# Allegro board reComputer J202_V1.0.brd (continued)
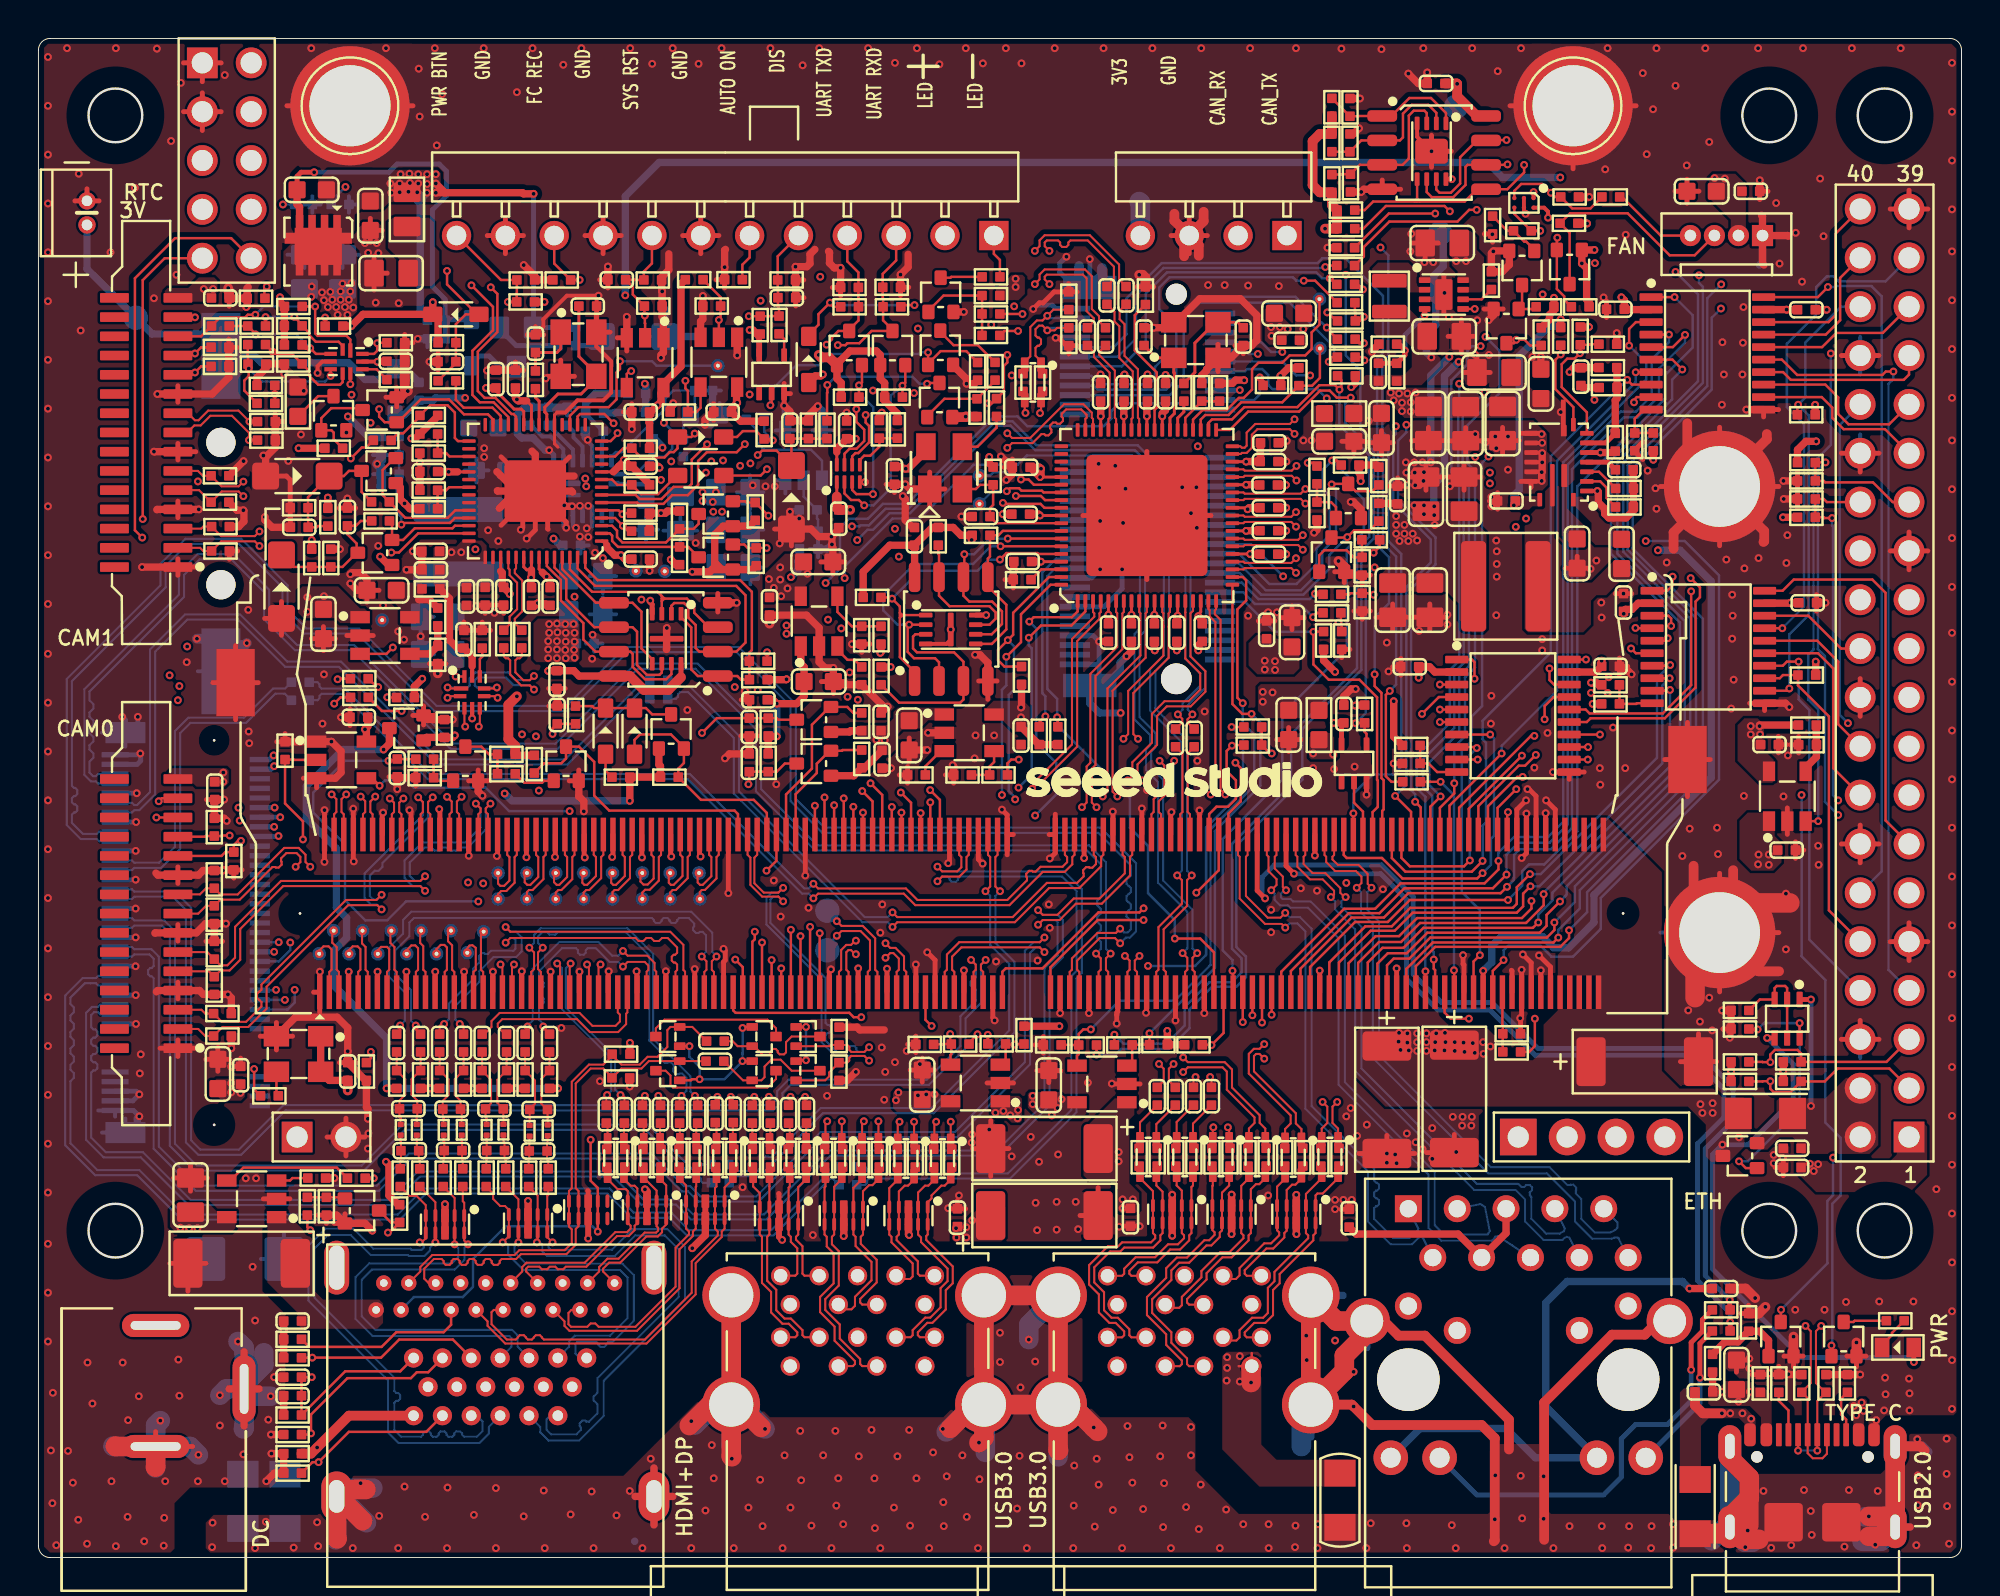
[diagram p0: board, top side]
## Routing (per net, layer and track width the routed paths; a pad name or vN(x,y) marks a point on that pad's centre or on a via; arc(x,y) is an arc through that point) (continued)
HUB_HSD2_P: length 44.5
  TOP w0.107: v1(41.77,22.69) L9.1 41.82,21.66 R39.1 ; U28.18 60.84,49.34 60.9,49.28 60.9,48.95 61.2,48.65 61.2,39.93 v1(60.96,39.68)
  LAY3 w0.084: v1(41.77,22.69) 41.51,22.95 41.51,23.25 41.68,23.42 41.8,23.42 41.85,23.37 41.97,23.37 42.09,23.49 42.09,23.61 42.04,23.65 42.04,23.77 47.74,29.47 47.74,33.66 53.1,39.02 53.1,40.39 53.73,41.03 57.39,41.03 57.92,40.49 59.5,40.49 59.58,40.41 59.58,40.38 59.66,40.29 59.83,40.29 59.92,40.38 59.92,40.41 60,40.49 60.17,40.49 60.25,40.41 60.25,40.38 60.34,40.29 60.5,40.29 60.59,40.38 60.59,40.41 60.67,40.49 61.02,40.49 61.22,40.3 61.22,39.94 v1(60.96,39.68)
HUB_HSD3_N: length 41.1
  TOP w0.107: v1(65.39,51.97) 65.15,51.73 62.73,51.73 62.66,51.79 U28.23 ; R46.1 62.95,21.32 L15.4 62.95,22.31 63.24,22.6 63.24,22.89 61.8,24.33 61.8,25.27 61.57,25.49 59.77,25.49 v1(59.52,25.25)
  LAY3 w0.084: v1(65.39,51.97) 65.66,51.7 65.98,51.7 66.36,51.32 66.36,50.6 65.9,50.14 65.9,40.22 60.92,35.24 60.92,30.74 60.06,29.88 60.06,27.16 60.27,26.95 60.27,25.74 60.04,25.51 59.78,25.51 v1(59.52,25.25)
HUB_HSD3_P: length 41
  TOP w0.107: v1(59.52,26.01) 59.77,25.76 61.68,25.76 62.06,25.38 62.06,24.44 63.5,23 63.5,22.6 63.79,22.31 L15.1 63.79,21.33 R52.1 ; v1(65.39,51.21) 65.15,51.46 62.73,51.46 62.66,51.39 U28.22
  LAY3 w0.084: v1(65.39,51.21) 65.64,51.46 65.88,51.46 66.12,51.22 66.12,50.7 65.66,50.24 65.66,43.56 65.52,43.42 65.52,43.23 65.66,43.08 65.66,42.89 65.52,42.75 65.52,42.56 65.66,42.41 65.66,40.31 60.69,35.34 60.69,30.84 59.82,29.98 59.82,27.06 60.03,26.85 60.03,25.84 59.94,25.75 59.78,25.75 v1(59.52,26.01)
HUB_HSD4_N: length 57.2
  TOP w0.107: U28.38 62.5,57.79 62.57,57.72 62.72,57.72 62.83,57.82 62.83,58.5 63.27,58.95 65.07,58.95 v1(65.32,59.19) ; R45.1 61.07,21.32 L14.4 61.07,22.31 61.09,22.34 v1(61.09,22.37)
  LAY3 w0.084: v1(61.09,22.37) 61.32,22.15 61.32,21.52 62.1,20.74 66.75,20.74 69.11,23.1 69.11,26.51 73.21,30.61 73.21,31.51 72.53,32.19 72.53,53.17 66.76,58.93 65.58,58.93 v1(65.32,59.19)
HUB_HSD4_P: length 57.1
  TOP w0.107: v1(61.85,22.37) 61.92,22.31 L14.1 61.92,21.33 R51.1 ; U28.37 62.52,57.39 62.58,57.45 62.83,57.45 63.1,57.71 63.1,58.39 63.39,58.68 65.07,58.68 v1(65.32,58.44)
  LAY3 w0.084: v1(65.32,58.44) 65.58,58.7 66.67,58.7 66.88,58.49 66.88,58.37 66.85,58.33 66.85,58.22 66.97,58.1 67.08,58.1 67.12,58.13 67.23,58.13 67.35,58.01 67.35,57.89 67.32,57.86 67.32,57.74 67.44,57.62 67.56,57.62 67.59,57.65 67.71,57.65 67.83,57.54 67.83,57.42 67.8,57.39 67.8,57.27 67.92,57.15 68.03,57.15 68.07,57.18 68.18,57.18 72.29,53.07 72.29,32.09 72.97,31.41 72.97,30.71 68.87,26.61 68.87,23.2 66.65,20.98 62.98,20.98 62.9,21.06 62.9,21.16 62.81,21.24 62.64,21.24 62.56,21.16 62.56,21.06 62.48,20.98 62.2,20.98 61.56,21.62 61.56,22.08 v1(61.85,22.37)
HUB_RESET: length 7.3
  TOP w0.127: U31.2 48.74,55.57 48.96,55.79 R151.2 49.64,54.74 49.48,54.58 C113.1 49.82,53.79 U28.68
HUB_REXT: length 7.3
  TOP w0.127: U28.47 58.04,59.68 58.15,59.8 58.15,61.63 57.01,62.77 57.01,64.61 R225.1
HUB_SPI_SI: length 11
  TOP w0.127: U25.5 49.57,47.51 50.33,48.27 50.33,49.55 49.37,50.51 U26.5 49.37,51.95 49.48,52.06 R135.2 49.92,53.16 50.15,53.39 U28.69
HUB_SSRX1_N: length 33.4
  TOP w0.107: v1(55.02,39.02) 54.77,39.27 54.77,41.03 54.97,41.22 54.97,45.84 56.36,47.24 56.36,49.1 56.44,49.17 U28.7 ; v1(45.53,22.66) L1.1 45.6,21.61 R30.1
  LAY3 w0.084: v1(55.02,39.02) 54.76,38.76 54.76,37.63 51.52,34.39 51.52,30.44 45.3,24.21 45.3,22.9 v1(45.53,22.66)
HUB_SSRX1_P: length 33.5
  TOP w0.107: U28.6 56.04,49.17 56.1,49.11 56.1,47.35 54.7,45.96 54.7,41.33 54.51,41.14 54.51,39.27 v1(54.26,39.02) ; R29.1 44.66,21.66 L1.4 44.68,22.57 v1(44.77,22.66)
  LAY3 w0.084: v1(54.26,39.02) 54.52,38.76 54.52,37.73 51.29,34.49 51.29,30.53 45.06,24.31 45.06,22.95 v1(44.77,22.66)
HUB_SSRX2_N: length 35.6
  TOP w0.107: U28.16 60.04,49.24 59.91,49.11 59.91,46.87 60.68,46.09 60.68,45.03 59.92,44.26 58.67,44.26 58.17,43.76 58.17,42.26 57.15,41.25 57.15,40.66 v1(57.4,40.41) ; v1(47.44,22.66) L2.1 47.49,21.63 R34.1
  LAY3 w0.084: v1(57.4,40.41) 57.14,40.15 57.14,39.73 56.59,39.18 56.59,36.08 53.28,32.78 53.28,29.96 47.14,23.81 47.14,22.96 v1(47.44,22.66)
HUB_SSRX2_P: length 35.5
  TOP w0.107: R33.1 46.55,21.64 L2.4 46.59,22.57 v1(46.68,22.66) ; v1(56.64,40.41) 56.88,40.66 56.88,41.36 57.9,42.37 57.9,43.87 58.56,44.53 59.8,44.53 60.41,45.14 60.41,45.98 59.64,46.76 59.64,49.15 59.64,49.15 U28.15
  LAY3 w0.084: v1(56.64,40.41) 56.9,40.15 56.9,39.83 56.35,39.28 56.35,36.18 53.05,32.87 53.05,30.06 46.9,23.91 46.9,22.88 v1(46.68,22.66)
HUB_SSRX3_N: length 43.9
  TOP w0.107: v1(63.74,25.94) 63.5,26.19 63.31,26.19 63.21,26.08 63.21,25.28 65.38,23.1 65.38,22.57 65.67,22.28 L11.1 65.75,21.66 R53.1 ; v1(65.39,54.37) 65.15,54.13 62.73,54.13 62.66,54.19 U28.29
  LAY3 w0.084: v1(65.39,54.37) 65.65,54.11 66.51,54.11 68.21,52.41 68.21,45.65 68.03,45.47 68.03,40.24 62.55,34.76 62.55,32.08 64.71,29.92 64.71,26.63 64.29,26.2 64,26.2 v1(63.74,25.94)
HUB_SSRX3_P: length 43.7
  TOP w0.107: U28.28 62.66,53.79 62.73,53.86 65.15,53.86 v1(65.39,53.61) ; v1(63.74,26.7) 63.5,26.46 63.2,26.46 62.94,26.19 62.94,25.17 65.11,22.99 65.11,22.57 64.82,22.28 L11.4 64.81,21.71 R47.1
  LAY3 w0.084: v1(65.39,53.61) 65.65,53.87 66.41,53.87 66.69,53.59 66.69,53.39 66.83,53.25 67.03,53.25 67.17,53.12 67.17,52.92 67.31,52.78 67.51,52.78 67.97,52.31 67.97,45.75 67.8,45.57 67.8,40.34 62.32,34.86 62.32,31.98 64.48,29.82 64.48,26.73 64.19,26.44 64,26.44 v1(63.74,26.7)
HUB_SSRX4_N: length 44.4
  TOP w0.107: U28.35 62.66,56.59 62.73,56.53 65.17,56.53 v1(65.42,56.77) ; R54.1 67.63,21.71 L16.1 67.58,22.31 67.29,22.6 67.29,23.45 v1(67.53,23.69)
  LAY3 w0.084: v1(65.42,56.77) 65.68,56.51 67.56,56.51 70.07,54.01 70.07,51.72 71.21,50.58 71.21,30.33 67.27,26.39 67.27,23.95 v1(67.53,23.69)
HUB_SSRX4_P: length 44.3
  TOP w0.107: U28.34 62.66,56.19 62.73,56.26 65.17,56.26 v1(65.42,56.01) ; v1(66.78,23.69) 67.02,23.45 67.02,22.6 66.73,22.31 L16.4 66.69,21.71 R48.1
  LAY3 w0.084: v1(65.42,56.01) 65.68,56.27 66.06,56.27 66.14,56.19 66.14,56.12 66.23,56.04 66.39,56.04 66.48,56.12 66.48,56.19 66.56,56.27 67.47,56.27 69.83,53.91 69.83,51.62 70.97,50.48 70.97,30.43 67.04,26.49 67.04,23.95 v1(66.78,23.69)
HUB_SSTX1_C_N: length 1.4
  TOP w0.107: C30.2 39.92,22.57 L8.1 39.93,21.69 R41.1
HUB_SSTX1_C_P: length 1.4
  TOP w0.107: C29.2 39.07,22.53 L8.4 38.99,21.63 R42.1
HUB_SSTX1_N: length 35.6
  TOP w0.107: v1(39.86,23.96) 39.86,23.6 39.94,23.52 C30.1 ; U28.4 55.24,49.17 55.17,49.1 55.17,48.82 54.01,47.66 54.01,42.17 52.2,40.36 52.2,40.21 v1(52.43,39.98)
  LAY3 w0.084: v1(52.43,39.98) 52.15,39.71 52.15,39.52 51.93,39.3 51.7,39.3 46.93,34.53 46.93,30.01 45.58,28.65 41.87,28.65 39.34,26.12 39.34,24.87 39.6,24.61 39.6,24.22 v1(39.86,23.96)
HUB_SSTX1_P: length 35.6
  TOP w0.107: C29.1 39.01,23.53 39.11,23.63 v1(39.11,23.96) ; U28.3 54.84,49.17 54.9,49.1 54.9,48.93 53.74,47.77 53.74,42.28 51.93,40.47 51.93,40.24 v1(51.67,39.98)
  LAY3 w0.084: v1(51.67,39.98) 51.92,39.74 51.92,39.62 51.83,39.53 51.6,39.53 46.7,34.63 46.7,30.11 45.48,28.89 41.77,28.89 39.1,26.22 39.1,24.77 39.37,24.51 39.37,24.22 v1(39.11,23.96)
HUB_SSTX2_C_N: length 1.4
  TOP w0.107: R32.1 38.07,21.65 L7.1 38.06,21.75 C28.2
HUB_SSTX2_C_P: length 1.4
  TOP w0.107: C27.2 37.12,21.75 L7.4 37.13,21.67 R31.1
HUB_SSTX2_N: length 42.2
  TOP w0.107: U28.13 58.84,49.17 58.77,49.1 58.77,48.41 58.77,48.39 58.77,46.79 56.93,44.96 56.93,42.82 v1(57.18,42.58) ; C28.1 37.98,23.6 v1(37.98,23.96)
  LAY3 w0.084: v1(37.98,23.96) 37.72,24.22 37.72,28.39 38.77,29.45 44.59,29.45 45.05,29.91 45.05,30.92 45.79,31.66 45.79,35.55 46.74,36.5 47.61,36.5 49.69,38.58 49.69,39.84 50.36,40.51 51.62,40.51 52.84,41.73 56.68,41.73 56.92,41.97 56.92,42.32 v1(57.18,42.58)
HUB_SSTX2_P: length 42.2
  TOP w0.107: v1(56.42,42.58) 56.66,42.82 56.66,45.07 58.5,46.9 58.5,48.39 58.5,48.48 58.5,49.11 58.44,49.17 U28.12 ; C27.1 37.12,23.53 37.22,23.63 v1(37.22,23.96)
  LAY3 w0.084: v1(56.42,42.58) 56.68,42.32 56.68,42.07 56.58,41.97 52.74,41.97 51.52,40.75 50.27,40.75 49.45,39.93 49.45,38.68 47.51,36.74 46.65,36.74 45.55,35.64 45.55,31.76 44.82,31.02 44.82,30 44.5,29.68 38.67,29.68 37.48,28.49 37.48,24.22 v1(37.22,23.96)
HUB_SSTX3_C_N: length 2.7
  TOP w0.107: C42.2 60.04,22.57 L13.1 60.04,21.33 R50.1
HUB_SSTX3_C_P: length 2.6
  TOP w0.107: R44.1 59.19,21.32 L13.4 59.19,22.65 C41.2
HUB_SSTX3_N: length 36.2
  TOP w0.107: C42.1 61,24.88 60.93,24.95 v1(60.93,24.99) ; U28.26 62.66,52.99 62.73,52.93 65.5,52.93 v1(65.75,53.17)
  LAY3 w0.084: v1(60.93,24.99) 60.67,25.25 60.67,25.36 61.67,26.35 61.67,34.91 66.94,40.19 66.94,49.66 67.25,49.97 67.25,51.95 66.29,52.91 66.01,52.91 v1(65.75,53.17)
HUB_SSTX3_P: length 36
  TOP w0.107: U28.25 62.66,52.59 62.73,52.66 65.5,52.66 v1(65.75,52.41) ; v1(60.17,24.99) 60.06,24.88 C41.1
  LAY3 w0.084: v1(65.75,52.41) 66.01,52.67 66.19,52.67 66.42,52.44 66.42,52.32 66.39,52.29 66.39,52.17 66.51,52.05 66.63,52.05 66.66,52.08 66.78,52.08 67.01,51.85 67.01,50.06 66.7,49.76 66.7,40.29 61.43,35.01 61.43,26.45 60.43,25.45 60.43,25.25 v1(60.17,24.99)
HUB_SSTX4_C_N: length 2.7
  TOP w0.107: C40.2 58.13,22.54 L12.1 58.13,21.33 R49.1
HUB_SSTX4_C_P: length 2.6
  TOP w0.107: R43.1 57.28,21.32 L12.4 57.28,22.63 C39.2
HUB_SSTX4_N: length 52.8
  TOP w0.107: C40.1 58.78,24.79 58.78,25.42 v1(59.03,25.67) ; U28.32 62.66,55.39 62.72,55.33 63.33,55.33 63.42,55.33 65.64,55.33 v1(65.88,55.57)
  LAY3 w0.084: v1(65.88,55.57) 66.25,55.57 66.51,55.31 67.32,55.31 69.07,53.55 69.07,40.29 63.37,34.58 63.37,32.38 65.45,30.3 65.45,26.22 63.36,24.13 58.05,24.13 57.33,24.85 57.33,26.09 57.64,26.4 58.54,26.4 58.77,26.18 58.77,25.93 v1(59.03,25.67)
HUB_SSTX4_P: length 52.7
  TOP w0.107: v1(58.27,25.67) 58.51,25.42 58.51,24.79 C39.1 ; v1(65.88,54.81) 65.64,55.06 63.42,55.06 63.33,55.06 62.73,55.06 62.66,54.99 U28.31
  LAY3 w0.084: v1(65.88,54.81) 66.14,55.07 67.22,55.07 67.5,54.79 67.5,54.67 67.45,54.63 67.45,54.51 67.57,54.39 67.69,54.39 67.74,54.44 67.85,54.44 68.84,53.45 68.84,53.09 68.75,53.01 68.65,53.01 68.57,52.93 68.57,52.76 68.65,52.67 68.75,52.67 68.84,52.59 68.84,40.39 63.13,34.68 63.13,32.29 65.21,30.2 65.21,26.32 63.26,24.37 61.62,24.37 61.53,24.45 61.53,24.51 61.45,24.59 61.28,24.59 61.2,24.51 61.2,24.45 61.11,24.37 60.95,24.37 60.86,24.45 60.86,24.51 60.78,24.59 60.61,24.59 60.53,24.51 60.53,24.45 60.44,24.37 60.27,24.37 60.19,24.45 60.19,24.51 60.11,24.59 59.94,24.59 59.86,24.51 59.86,24.45 59.77,24.37 59.6,24.37 59.52,24.45 59.52,24.51 59.44,24.59 59.27,24.59 59.19,24.51 59.19,24.45 59.1,24.37 58.93,24.37 58.85,24.45 58.85,24.51 58.77,24.59 58.6,24.59 58.51,24.51 58.51,24.45 58.43,24.37 58.15,24.37 57.57,24.95 57.57,25.99 57.74,26.16 58.45,26.16 58.53,26.08 58.53,25.93 v1(58.27,25.67)
HUB_TEST: length 1.8
  TOP w0.127: R129.1 52.15,51.39 U28.74
HUB_USBOC0: length 9.2
  TOP w0.127: U28.41 60.44,59.18 60.67,59.42 61.89,59.42 62.55,60.08 64.68,60.08 R187.2 66.23,60.94 66.63,61.35 TP38.1
HUB_USBOC1: length 28.9
  TOP w0.127: v1(51.52,48.67) 51.75,48.9 53.74,48.9 54.04,49.2 U28.1 ; R78.2 50.79,26.71 v1(50.76,26.68) 50.33,26.68 R76.1 50.29,25.91 U14.3
  LAY4 w0.127: v1(51.83,38.59) 51.24,38.01 51.24,27.16 v1(50.76,26.68)
  BOTTOM w0.127: v1(51.52,48.67) 51.89,48.31 51.89,42.36 52.92,41.33 52.92,39.68 v1(51.83,38.59)
HUB_USBOC2: length 29.4
  TOP w0.127: R76.2 49.36,26.72 v1(49.36,27.19) ; R115.2 50.23,46.33 49.9,46.67 49.9,47.2 v1(50.41,47.71) 50.68,47.99 50.68,49.13 52.54,50.99 U28.75
  LAY4 w0.127: v1(49.36,27.19) 49.31,27.24 49.31,28.61 50.74,30.04 50.74,38.99 50.79,39.03 v1(50.79,39.43)
  BOTTOM w0.127: v1(50.79,39.43) 50.79,39.53 50.46,39.86 50.46,44.86 50.72,45.13 50.72,47.39 v1(50.41,47.71)
HUB_USBOC3: length 29.3
  TOP w0.127: v1(57.77,27.26) 57.77,26.68 R73.2 57.34,26.67 57.32,26.66 R71.1 56.87,25.86 U13.3 ; v1(63.08,43.87) 62.6,43.87 62.09,44.38 U28.20
  BOTTOM w0.127: v1(57.77,27.26) 61.18,30.67 61.18,37.78 63.54,40.14 63.54,43.42 v1(63.08,43.87)
HUB_USBOC4: length 52.5
  TOP w0.127: U28.40 60.84,59 61.02,59.19 62.06,59.19 62.7,59.82 65.46,59.82 66.6,60.97 67.42,60.97 v1(67.65,60.74) 67.75,60.84 67.75,61.22 67.55,61.42 R188.2 ; R71.2 v1(55.95,27.19)
  BOTTOM w0.127: v1(55.95,27.19) 56.41,26.73 58.66,26.73 59.6,27.67 59.6,28.63 60.89,29.92 62.06,29.92 62.56,30.43 62.56,31.16 62.06,31.66 62.06,37.12 65.14,40.19 65.14,42.82 68.57,46.25 68.57,52.45 69.2,53.09 69.2,57.34 67.65,58.88 v1(67.65,60.74)
HUB_USBPE0: length 11.6
  TOP w0.127: TP39.1 66.61,64.12 66.2,63.71 66.2,62.85 65.87,62.52 65.06,62.52 64.68,62.14 63.44,62.14 63.11,61.81 63.11,60.74 62.67,60.31 62.42,60.31 61.78,59.67 60.53,59.67 60.04,59.18 U28.42
HUB_USBPE1: length 31.2
  TOP w0.127: R74.1 47.01,26.69 47.03,26.7 R75.2 ; R75.2 47.47,26.18 47.43,26.14 U14.4 ; R75.2 47.41,26.76 v1(47.41,27.22) ; U28.2 54.44,49.2 53.71,48.47 52.13,48.47 v1(51.5,47.84)
  LAY4 w0.127: v1(47.41,27.22) 47.93,26.7 49.47,26.7 51.02,28.25 51.02,38.34 51.24,38.56 51.24,39.76 v1(50.96,40.04)
  BOTTOM w0.127: v1(51.5,47.84) 51.5,47.44 51.65,47.29 51.65,40.72 v1(50.96,40.04)
HUB_USBPE2: length 26.5
  TOP w0.127: v1(48.83,27.21) 48.39,26.77 R75.1 ; v1(50.33,46.84) 51.09,47.61 51.09,49.05 52.63,50.59 U28.76
  LAY4 w0.127: v1(50.1,39.66) 50.38,39.38 50.38,39.17 50.49,39.06 50.49,30.3 48.83,28.63 v1(48.83,27.21)
  BOTTOM w0.127: v1(50.33,46.84) 50.33,45.36 50.1,45.13 v1(50.1,39.66)
HUB_USBPE3: length 33.2
  TOP w0.127: R69.2 54.1,27.23 54.33,27.46 v1(54.72,27.46) ; R69.2 53.65,26.65 53.65,26.66 R70.1 ; R69.2 54.1,26.18 54.01,26.09 U13.4 ; v1(62.62,44.43) 62.34,44.71 62.34,49.31 62.8,49.77 62.8,50.82 62.63,50.99 U28.21
  BOTTOM w0.127: v1(54.72,27.46) 56.22,28.96 59.09,28.96 60.95,30.82 60.95,37.87 63.22,40.15 63.22,42.79 62.62,43.39 v1(62.62,44.43)
HUB_USBPE4: length 52.5
  TOP w0.127: R69.1 v1(55.02,26.16) ; U28.39 61.95,58.64 62.9,59.6 65.56,59.6 66.65,60.69 67.14,60.69 67.51,60.32 v1(68.24,60.32)
  BOTTOM w0.127: v1(68.24,60.32) 67.96,60.04 67.96,59.01 69.43,57.54 69.43,52.99 68.8,52.36 68.8,46.16 65.72,43.09 65.72,40.45 62.29,37.02 62.29,31.75 62.79,31.26 62.79,30.18 62.31,29.69 61.04,29.69 59.85,28.51 59.85,27.53 58.78,26.45 56.3,26.45 56.01,26.16 v1(55.02,26.16)
HUP_SPI_CLK: length 12.1
  TOP w0.127: U25.6 49.57,48.01 50.1,48.55 50.1,49.21 49.59,49.72 48.4,49.72 48.1,50.02 U26.6 48.15,51.03 v1(48.15,52.18) ; U28.70 v1(50.41,52.99)
  BOTTOM w0.127: v1(48.15,52.18) 48.65,52.18 49.46,52.99 v1(50.41,52.99)
HUP_SPI_CS: length 16.8
  TOP w0.127: v1(50,51.9) 50.34,52.24 51.85,52.24 51.94,52.24 51.99,52.19 U28.72 ; 44.79,48.88 44.79,46.83 45.56,46.06 U26.1 ; 44.79,48.88 44.79,49.13 ; 44.79,48.88 44.93,49.01 ; 44.79,49.13 44.91,49.01 44.93,49.01 ; 44.79,49.13 44.79,49.46 v1(44.39,49.87) 44.32,49.93 R127.2 ; 44.93,49.01 U25.1
  BOTTOM w0.127: v1(44.39,49.87) 45.83,51.32 48.83,51.32 49.42,51.9 v1(50,51.9)
HUP_SPI_HOLD: length 7.4
  TOP w0.127: R134.2 46.79,52.2 46.83,52.17 U26.7 46.83,50.02 47.38,49.47 49.45,49.47 49.77,49.15 49.77,48.83 49.46,48.51 U25.7
HUP_SPI_SO: length 17.9
  TOP w0.127: U26.2 46.83,46.56 46.62,46.77 45.53,46.77 45.2,47.1 45.2,48.44 v1(45.27,48.51) U25.2 ; U28.71 v1(50.03,52.59)
  BOTTOM w0.127: v1(50.03,52.59) 49.52,52.59 48.6,51.67 45.55,51.67 43.93,50.05 43.93,49.26 44.67,48.51 v1(45.27,48.51)
HUP_SPI_WP: length 10.9
  TOP w0.127: R113.2 44.75,44.46 47.94,44.46 48.1,44.62 U26.3 48.1,46.59 47.61,47.07 45.68,47.07 45.48,47.28 45.48,47.89 45.6,48.01 U25.3
I2C1_SCL: length 39.7
  TOP w0.127: J11.189 v1(63.62,27.82) ; J10.5 96.1,25.78 D10.2 91.66,26.22 91.48,26.4 90.3,26.4 90.06,26.16 v1(90.06,25.76) 89.66,25.76 89.65,25.78 R67.2
  LAY4 w0.127: v1(63.62,27.82) 63.62,28.34 63.94,28.66 85.03,28.66 87.54,26.14 89.67,26.14 v1(90.06,25.76)
I2C1_SDA: length 38.4
  TOP w0.127: J10.3 96.25,25.43 93.56,25.43 92.89,24.76 D9.2 91.11,24.21 90.22,24.21 90.06,24.38 v1(90.06,24.77) 89.66,24.77 89.65,24.76 R56.2 ; J11.191 v1(64.12,28.23)
  LAY4 w0.127: v1(90.06,24.77) 88.94,25.89 87.44,25.89 84.9,28.43 64.33,28.43 v1(64.12,28.23)
I2C2_M2E_SCL: length 6
  TOP w0.127: R126.2 66.5,49.13 v1(66.28,48.9)
  BOTTOM w0.127: J20.60 62.65,50.2 63.26,49.59 65.59,49.59 v1(66.28,48.9)
I2C2_M2E_SDA: length 5.8
  TOP w0.127: R128.2 66.77,50.12 v1(66.38,50.12)
  BOTTOM w0.127: v1(66.38,50.12) 66.1,49.84 63.44,49.84 62.58,50.7 J20.58
I2C2_M2M_SCL: length 25.2
  TOP w0.127: v1(15.38,44.41) 15.7,44.73 R109.2
  LAY3 w0.127: v1(7.25,44.58) 7.25,39.17 11.34,35.08 11.34,33.15 v1(12.5,32)
  LAY4 w0.127: v1(15.38,44.41) 14.92,44.86 7.96,44.86 7.68,44.58 v1(7.25,44.58)
  BOTTOM w0.127: J18.40 v1(12.5,32)
I2C2_M2M_SDA: length 27.1
  TOP w0.127: R112.2 15.58,45.7 v1(15.56,45.68)
  LAY3 w0.127: v1(12.25,31.5) 11.11,32.64 11.11,34.98 6.82,39.28 v1(6.82,45.88)
  LAY4 w0.127: v1(6.82,45.88) 7.73,45.88 8.22,45.4 15.28,45.4 v1(15.56,45.68)
  BOTTOM w0.127: J18.42 v1(12.25,31.5)
I2C2_SCL: length 132.1
  TOP w0.127: R109.1 17.86,44.03 v1(18.88,44.03) ; v1(37.96,54.18) R141.2 36.83,54.87 36.76,54.93 Q21.2 ; R234.2 68.89,69.11 70.07,70.29 73.11,70.29 v1(73.39,70.01) ; v1(76.39,72.45) 76.37,72.43 U40.6 74.31,72.43 74.21,72.32 74.21,71.38 73.57,70.75 72.45,70.75 72.19,71.01 U41.6 ; J11.232 74.38,38.94 v1(77.14,41.7) ; R126.1 67.73,48.75 v1(67.6,48.62) 67.77,48.46 D22.2
  LAY3 w0.127: v1(37.96,54.18) 37.96,53.22 37.12,52.38 37.12,46.18 v1(36.21,45.27) ; v1(76.39,72.45) 76.09,72.14 76.09,61.35 76.82,60.61 76.82,55.25 77.1,54.97 77.1,54.36 76.82,54.08 v1(76.82,53.6) 76.82,53.21 76.9,53.13 76.9,42.34 77.14,42.1 v1(77.14,41.7)
  LAY4 w0.127: v1(18.88,44.03) 20.61,42.3 22.82,42.3 24.22,43.7 27.37,43.7 28.94,45.27 v1(36.21,45.27) ; v1(37.96,54.18) 37.4,53.63 37.4,52.38 37.81,51.98 42.09,51.98 43.44,50.62 50.27,50.62 52.55,48.34 65.93,48.34 66.1,48.52 67.11,48.52 67.21,48.62 v1(67.6,48.62) 68.47,48.62 69.33,49.49 69.66,49.49 73.77,53.6 v1(76.82,53.6) ; v1(73.39,70.01) 75.83,72.45 v1(76.39,72.45)
I2C2_SDA: length 125.2
  TOP w0.127: 71.82,70.52 71.67,70.52 ; 71.82,70.52 71.69,70.64 ; 71.82,70.52 74.16,70.52 74.8,71.16 U40.5 76.38,71.16 77.25,72.03 v1(77.25,72.42) ; 71.67,70.52 71.69,70.54 71.69,70.64 ; 71.67,70.52 71.56,70.52 ; v1(17.67,45.27) 17.62,45.27 R112.1 ; J11.234 74.87,39.08 76.97,41.18 77.3,41.18 v1(77.86,41.74) ; Q18.2 36.7,52.68 36.88,52.5 R132.2 v1(37.86,52.5) ; 71.69,70.64 U41.5 ; 71.69,70.64 71.56,70.52 ; v1(69.43,50.07) 69.35,50.15 D24.2 68.22,50.15 68.17,50.09 R128.1 ; 71.56,70.52 69.4,70.52 68.96,70.07 R236.2
  LAY3 w0.127: v1(37.86,52.5) 37.86,51.88 37.35,51.37 37.35,45.27 37.4,45.22 v1(37.4,45.12) ; v1(77.86,41.74) 77.36,42.25 v1(77.36,54.03) 77.36,55.07 77.05,55.38 77.05,60.81 76.42,61.45 76.42,71.19 77.25,72.03 v1(77.25,72.42)
  LAY4 w0.127: v1(77.36,54.03) 76.96,54.03 76.94,54.01 73.76,54.01 69.82,50.07 v1(69.43,50.07) 68.64,49.28 66.14,49.28 65.43,48.57 52.69,48.57 50.38,50.88 43.55,50.88 42.21,52.22 38.14,52.22 v1(37.86,52.5) ; v1(17.67,45.27) 18.83,45.27 20.05,44.05 27.4,44.05 29.01,45.66 36.85,45.66 v1(37.4,45.12)
I2S0_LRCK: length 49.7
  TOP w0.127: v1(76.36,34.88) 76.03,34.55 71.23,34.55 69.96,33.28 68.28,33.28 65.62,30.63 J11.197 ; U37.5 84.99,62.95 v1(85.62,63.58)
  BOTTOM w0.127: v1(85.62,63.58) 85.62,63.19 84.26,61.83 84.26,60.38 83.17,59.29 82.44,59.29 79.74,56.6 79.74,37.93 78.65,36.84 77.03,36.84 76.73,36.54 76.73,35.35 76.72,35.34 76.72,35.24 v1(76.36,34.88)
I2S0_LRCK_LS: length 8.4
  TOP w0.127: U37.16 92.75,62.95 93.48,63.69 95.91,63.69 J10.35
I2S0_SCLK: length 50.4
  TOP w0.127: J11.199 66.12,30.71 68.47,33.05 70.17,33.05 71.31,34.2 v1(76.42,34.2) ; v1(85.08,65.55) U37.1
  BOTTOM w0.127: v1(85.08,65.55) 86.02,64.61 86.02,62.92 84.6,61.51 84.6,60.29 80.02,55.71 80.02,37.77 78.3,36.04 77.5,36.04 77.15,35.69 77.15,34.93 v1(76.42,34.2)
I2S0_SCLK_LS: length 38.1
  TOP w0.127: v1(93.05,66.07) 92.53,65.55 U37.20
  BOTTOM w0.127: J10.12 95.85,35.69 95.85,65.59 95.31,66.12 93.5,66.12 93.45,66.07 v1(93.05,66.07)
I2S0_SDIN: length 48.3
  TOP w0.127: v1(84.79,63.6) U37.4 ; v1(76.34,35.52) 75.63,34.81 71.03,34.81 69.74,33.51 68.13,33.51 65.12,30.5 J11.195
  BOTTOM w0.127: v1(76.34,35.52) 76.34,36.56 76.95,37.17 78.57,37.17 79.51,38.11 79.51,56.83 82.28,59.6 83.07,59.6 83.88,60.41 83.88,62.3 84.79,63.21 v1(84.79,63.6)
I2S0_SDIN_LS: length 8
  TOP w0.127: U37.17 92.94,63.6 93.69,64.35 93.69,66.55 J10.38
I2S0_SDOUT: length 48.6
  TOP w0.127: v1(75.92,36.23) 75.92,35.78 75.2,35.06 70.83,35.06 69.51,33.74 67.9,33.74 64.62,30.47 J11.193 ; v1(82.71,63.02) 82.71,63.9 83.07,64.25 U37.3
  BOTTOM w0.127: v1(82.71,63.02) 83.6,62.14 83.6,61.27 79.29,56.95 79.29,38.26 78.5,37.47 76.73,37.47 75.92,36.66 v1(75.92,36.23)
I2S0_SDOUT_LS: length 9.9
  TOP w0.127: U37.18 93.08,64.25 93.46,64.62 93.46,68.86 J10.40
I2S1_LRCK: length 39.5
  TOP w0.127: v1(72.91,39.58) 72.38,39.05 J11.224
  LAY4 w0.127: v1(63.41,62.59) 63.82,62.19 66.38,62.19 66.76,61.81 68.8,61.81 69.25,61.35 72.4,61.35 73.16,60.59 v1(75.2,60.59)
  BOTTOM w0.127: v1(75.2,60.59) 74.05,59.44 74.05,56.73 74.38,56.4 74.38,46.36 73.88,45.85 73.88,42.91 72.33,41.36 72.33,40.16 v1(72.91,39.58) ; v1(63.41,62.59) 62.93,62.59 62.82,62.7 J20.10
I2S1_SCLK: length 42.4
  TOP w0.127: v1(73.62,40.27) 73.62,39.73 72.87,38.99 J11.226
  LAY4 w0.127: v1(64.68,62.69) 65.07,62.69 65.3,62.47 66.84,62.47 67.25,62.87 67.96,62.87 68.64,63.56 75.04,63.56 75.12,63.48 v1(75.25,63.48)
  BOTTOM w0.127: v1(75.25,63.48) 75.96,62.77 75.96,60.54 74.31,58.88 74.31,56.9 74.7,56.51 74.7,46.29 74.19,45.78 74.18,45.78 74.18,42.7 73.62,42.15 v1(73.62,40.27) ; J20.8 63.59,63.2 64.1,62.69 v1(64.68,62.69)
I2S1_SDIN: length 34.1
  TOP w0.127: v1(71.59,39.3) 71.87,39.02 J11.222
  LAY4 w0.127: v1(66.13,61.48) 66.31,61.3 68.41,61.3 70.48,59.23 70.81,59.23 v1(71.13,58.91)
  BOTTOM w0.127: v1(66.13,61.48) 65.4,61.48 64.68,62.2 J20.12 ; v1(71.13,58.91) 71.13,58.52 70.7,58.08 70.7,55 72.65,53.05 72.65,51.65 71.38,50.38 71.38,39.91 71.59,39.69 v1(71.59,39.3)
I2S1_SDOUT: length 34
  TOP w0.127: v1(70.55,39.61) 71.38,38.78 J11.220
  LAY4 w0.127: v1(70.59,58.83) 69.42,58.83 69.33,58.74 68.53,58.74 v1(66.99,60.28)
  BOTTOM w0.127: v1(70.55,39.61) 71.13,40.19 71.13,50.48 72.4,51.75 72.4,52.94 70.45,54.9 70.45,58.3 70.59,58.44 v1(70.59,58.83) ; J20.14 62.75,61.7 62.85,61.81 63.64,61.81 63.94,61.5 63.94,60.99 64.17,60.76 66.51,60.76 v1(66.99,60.28)
ID_I2C_SCL: length 62.2
  TOP w0.127: v1(93.27,54.06) 92.87,54.06 92.84,54.1 R139.2 D28.2 92.84,55.05 93,54.89 J10.28 94.87,54.89 ; J11.185 v1(62.62,27.85)
  LAY4 w0.127: v1(62.62,27.85) 62.62,28.56 63.26,29.19 78.45,29.19 80.89,31.63 80.89,39.2 81.77,40.09 87.24,40.09 88.23,39.1 93.31,39.1 v1(93.59,39.38)
  BOTTOM w0.127: v1(93.27,54.06) 93.27,53.66 93.32,53.61 93.32,39.64 v1(93.59,39.38)
ID_I2C_SDA: length 67.2
  TOP w0.127: v1(92.93,56.95) 92.41,56.95 R154.2 D30.2 92.84,55.99 92.91,55.91 95.4,55.91 96.42,54.89 J10.27 97.41,54.89 ; J11.187 v1(63.12,28.2)
  LAY4 w0.127: v1(93.59,38.62) 93.19,38.62 93.04,38.77 88.1,38.77 87.18,39.68 81.88,39.68 81.11,38.92 81.11,31.54 78.52,28.94 63.64,28.94 63.12,28.42 v1(63.12,28.2)
  BOTTOM w0.127: v1(92.93,56.95) 92.53,56.56 92.53,47.24 92.9,46.87 92.9,39.3 v1(93.59,38.62)
IFP_TERM_EN: length 36.8
  TOP w0.381: R64.1 v1(27.02,24.4) ; R60.1 v1(22.57,24.4) R61.1 ; R59.1 v1(20.36,24.4) R58.1 ; R62.1 v1(24.82,24.4) R63.1 ; R57.1 v1(18.1,24.4) ; v1(17.94,42.02) 18.25,42.32 Q16.3
  BOTTOM w0.381: v1(27.02,24.4) v1(24.82,24.4) v1(22.57,24.4) v1(20.36,24.4) v1(18.1,24.4) 18.1,27 15.38,29.73 15.38,31.58 16.02,32.22 16.02,33.27 15.49,33.8 15.49,36.88 13.93,38.44 13.93,40.11 15.84,42.02 v1(17.94,42.02)
ILMT_SQ1: length 2.9
  BOTTOM w0.203: R251.1 25.6,58.89 26.2,58.3 26.63,58.3 27.29,57.64 U42.2
ILMT_SQ2: length 2.4
  TOP w0.127: U32.2 81.21,55.97 81.55,55.63 81.55,55.1 R145.1
LED0_CTRL: length 62.7
  TOP w0.127: R103.2 R97.2 64.04,41.82 v1(64.13,41.82) ; Q2.1 v1(93.24,11.03)
  LAY4 w0.127: v1(91.68,39.66) 91.2,40.14 88.05,40.14 87.59,40.6 80.17,40.6 78.52,42.25 77.2,42.25 74.76,44.69 72.05,44.69 69.58,42.22 64.54,42.22 v1(64.13,41.82)
  BOTTOM w0.127: v1(91.68,39.66) 91.68,31.27 92.93,30.03 92.93,22.61 93.71,21.83 93.71,18.83 93.28,18.4 93.28,11.07 v1(93.24,11.03)
LED1_CTRL: length 5.3
  TOP w0.127: Q31.1 46.28,64.84 47.07,65.63 R226.2 R214.2 R206.2
M2_SDIO_CLK: length 46.6
  TOP w0.127: v1(70.27,45.07) 70.07,44.86 70.07,40.63 70.36,40.34 R81.1
  BOTTOM w0.127: J20.9 55.92,62.95 56.58,63.61 56.58,65.49 58.41,67.32 66.51,67.32 66.76,67.57 67.96,67.57 69.91,65.62 69.91,62.64 69.61,62.34 69.61,58.35 69.91,58.05 69.91,52.74 70.6,52.05 70.6,45.4 v1(70.27,45.07)
M2_SDIO_CMD: length 16.9
  TOP w0.127: R231.1 67.16,67.19 67.08,67.11 v1(66.92,67.11)
  BOTTOM w0.127: J20.11 56.13,62.45 57.08,63.4 57.08,65.64 58.5,67.06 66.86,67.06 v1(66.92,67.11)
M2_SDIO_D0: length 17.4
  TOP w0.127: R227.1 67.2,66.53 v1(67.14,66.53)
  BOTTOM w0.127: v1(67.14,66.53) 66.75,66.53 66.45,66.83 58.69,66.83 57.58,65.73 57.58,63.19 56.33,61.95 J20.13
M2_SDIO_D1: length 19.6
  TOP w0.127: v1(65.8,66.4) 66.39,66.4 R223.1
  BOTTOM w0.127: v1(65.8,66.4) 65.4,66.4 65.23,66.58 58.81,66.58 58.28,66.05 58.28,64.93 58.58,64.62 58.58,62.44 58.06,61.92 58.06,61.33 57.75,61.02 55.18,61.02 54.75,61.45 J20.15
